# Altium PCB YS_STM32F407_MC_尺寸图.PcbDoc
Units mm, origin at the board's own origin, x right, y up, seen from the top; angles counter-clockwise.
Board outline 197.61 x 111.25 mm, 2 copper layers (Top Layer, Bottom Layer); 31 components, 284 nets, 265 pads, 0 vias.
Unrouted connection lines stored in the file: 72.
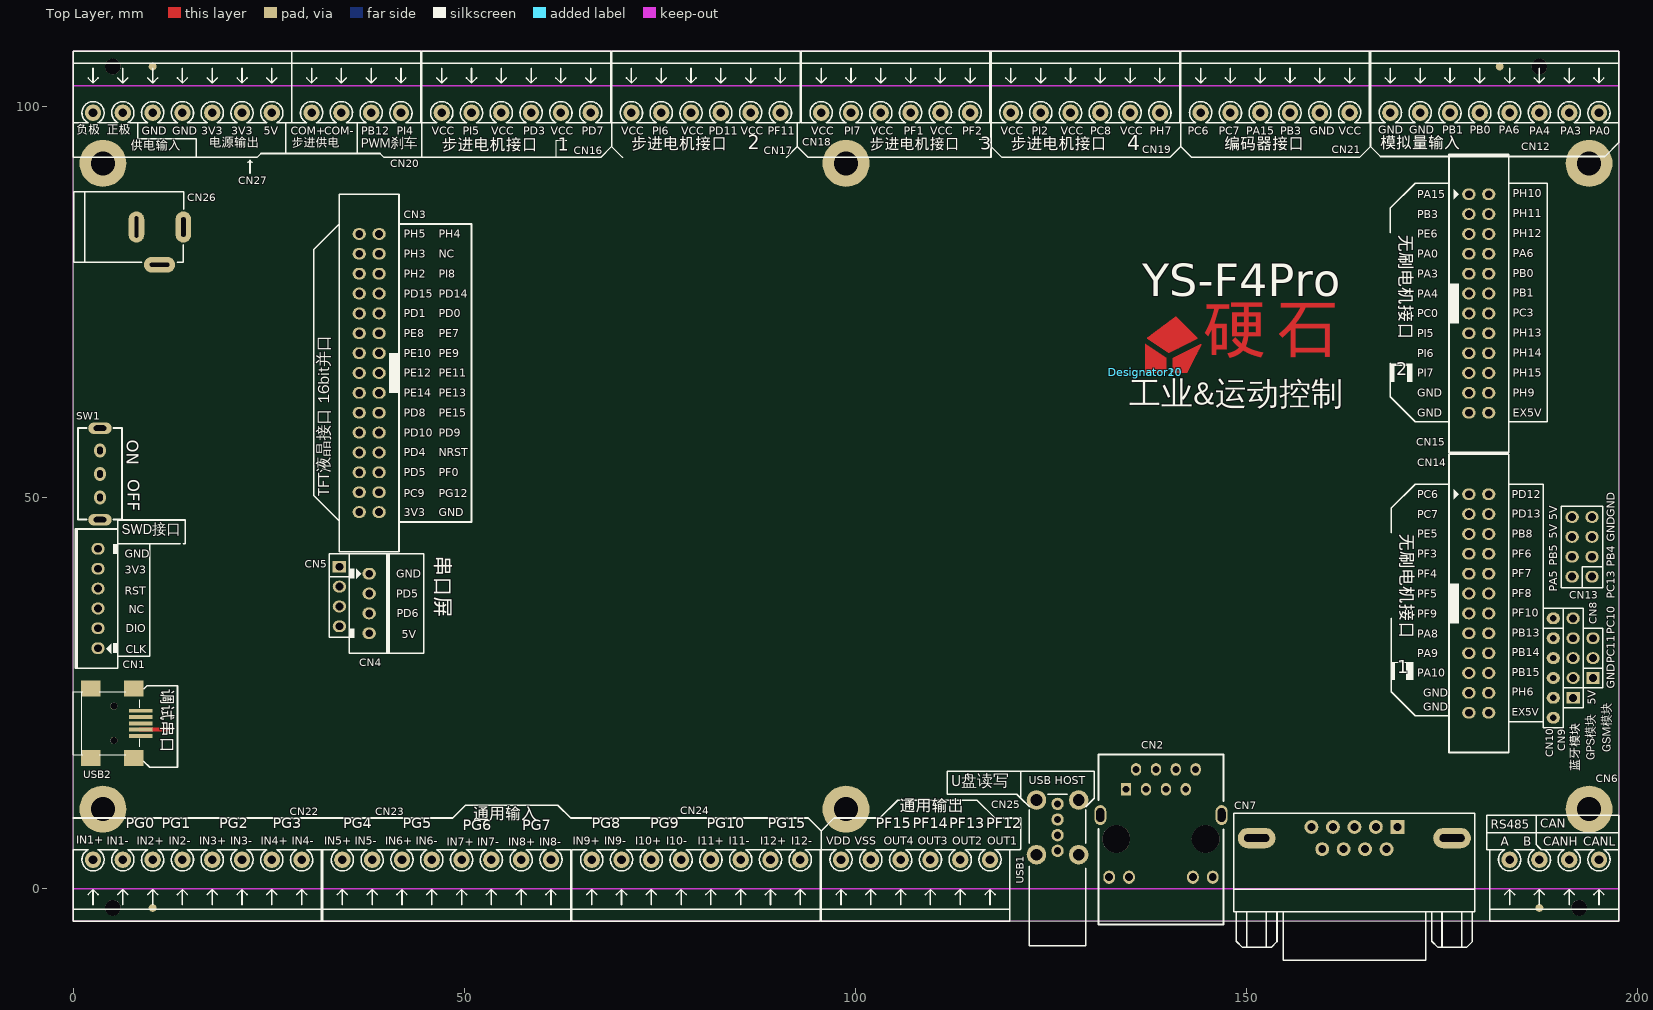
[diagram p0: Top Layer view]
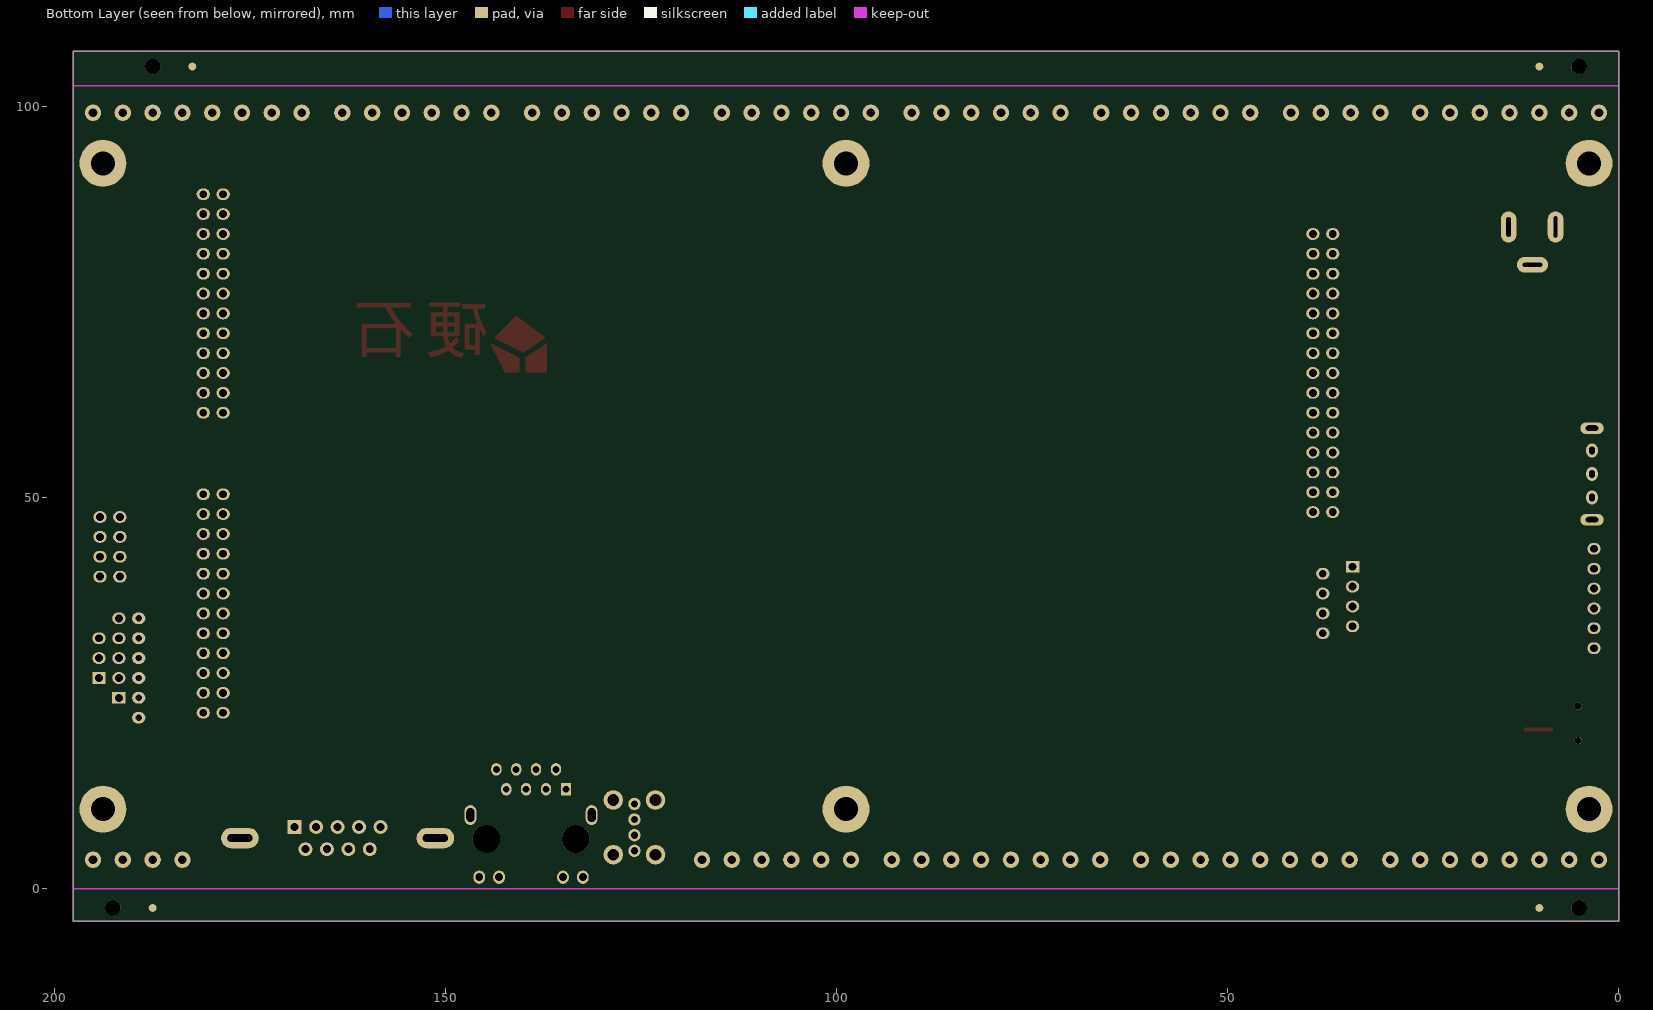
[diagram p1: Bottom Layer view, seen from below]

## Layer stack, top to bottom
Top Solder: solder mask 0.0102, Solder Resist, Dk 3.5
Top Layer: signal copper 0.0356
Dielectric 1: dielectric 0.32, FR-4, Dk 4.8
Bottom Layer: signal copper 0.0356
Bottom Solder: solder mask 0.0102, Solder Resist, Dk 3.5

## Board outline
0,0 0,107.061 197.612,107.061 197.612,102.616 197.612,0 197.612,-4.191 0,-4.191

## Design rules (kind name [scope] priority, off if disabled: settings)
Clearance [All] p1: gap=0.305
PolygonConnect [All] p1: connectstyle=Relief reliefconductorwidth=0.381 reliefentries=4 polygonreliefangle="90 Angle" airgapwidth=0.127
RoutingVias [All] p1: holewidth=0.305 width=0.61 viastyle="Through Hole" minholewidth=0.178 minwidth=0.356 maxholewidth=0.711 maxwidth=1.27
SolderMaskExpansion [All] p1: expansion=0.102
UnpouredPolygon [All] p1: allowunpoured=FALSE
Width [All] p1: maxlimit=5.08 minlimit=0.254 preferedwidth=0.813
29 further rules are at their usual default settings.

## Classes and differential pairs
component class INPUT&OUTPUT: CN22 CN23 CN24 CN25
component class LCD&ETHERNET: CN2 CN3 CN4 CN5
component class MEMORY&COMMUNICTION: CN6 CN7 CN8 CN9 CN10 CN12 CN13 USB1 USB2
component class MOTOR: CN14 CN15 CN16 CN17 CN18 CN19 CN20 CN21
component class POWER: C73 C74 CN26 CN27 SW1
component class STM32MCU: CN1
net class D[0..15]: D0 D1 D2 D3 D4 D5 D6 D7 D8 D9 D10 D11 D12 D13 D14 D15

## Components (designator, comment, footprint, x,y, rotation, side; value= is the part's Value field where it differs from the comment)
CN1 "Header 6" XH2.54-6P_MCUSWD 3.175,30.734 r0 top
CN2 "HR911105A" HR911105A 134.62,12.7 r180 top
CN3 "Header 15X2" LCD_Module_30pin_LINE 39.116,83.693 r270 top
CN4 "Header 4" XH2.54-4P 37.846,40.259 r0 top
CN5 "Header 4" CON1X4(2.54mm) 34.036,41.148 r270 top
CN6 "Header 4" EDG3.81_4P 195.072,3.683 r180 top
CN7 "DB9" CON-JH-9P/SC/R-JL 169.291,7.874 r180 top
CN8 "GSM" CON1X3(2.54mm) 194.31,26.924 r90 top
CN9 "GPS" CON1X5(2.54mm) 191.77,24.384 r90 top
CN10 "BLUETOOTH" "CON1X6(2.54mm) - M" 189.23,34.544 r270 top
CN12 "Header 8" EDG3.81_8P 195.072,99.187 r180 top
CN13 "Header 4X2" CON2X4(2.54MM) 194.183,39.878 r180 top
CN14 "BLDC&PMSM" DC3-24P 178.435,50.419 r0 top
CN15 "BLDC&PMSM" DC3-24P 178.435,88.773 r0 top
CN16 "STEPMOTOR1" EDG3.81_6P 66.167,99.187 r180 top
CN17 "STEPMOTOR2" EDG3.81_6P 90.424,99.187 r180 top
CN18 "STEPMOTOR3" EDG3.81_6P 114.681,99.187 r180 top
CN19 "STEPMOTOR4" EDG3.81_6P 138.938,99.187 r180 top
CN20 "Header 4" EDG3.81_4P 30.48,99.187 r0 top
CN21 "ENCODDER" EDG3.81_6P 163.195,99.187 r180 top
CN22 "IO_INPUT" EDG3.81_8P 2.54,3.683 r0 top
CN23 "IO_INPUT" EDG3.81_8P 34.417,3.683 r0 top
CN24 "IO_INPUT" EDG3.81_8P 66.294,3.683 r0 top
CN25 "IO_OUTPUT" EDG3.81_6P 117.221,3.683 r180 top
CN26 "POWER2.5" CON-DS210/SC/3-JL 14.097,84.582 r180 top
CN27 "Header 7" EDG3.81_7P 2.54,99.187 r0 top
Designator10 "Comment" LOGO#1 137.033,66.004 r0 top
Designator20 "Comment" LOGO#2 137.033,66.004 r0 top
SW1 "SW-Power" SW/SS-12F45 3.429,50.007 r90 top
USB1 "USB_A" USB-A-4P(SIDE) 125.857,4.826 r270 top
USB2 "USB_MINIB_SMT" USB-MINI 8.636,22.733 r180 top

## Footprints (in the part's own frame and the unit in brackets; to place one, negate y for a bottom-side part, rotate by r counter-clockwise, add the part's x,y. Pads: shape width x height; smd on the part's side, far side on the other; paste and mask are expansions set on the pad)
CON1X3(2.54mm) [mm] "Connector; Header; 3 Position"
  rect 1.5x1.7 hole 1: 1(0,0)
  oval 1.5x1.7 hole 1: 2(2.54,0) 3(5.08,0)
  silkscreen extent -1.27,-1.27 6.35,1.27
CON1X4(2.54mm) [mm] "Connector; Header; 4 Position"
  rect 1.5x1.7 hole 1: 1(0,0)
  oval 1.5x1.7 hole 1: 2(2.54,0) 3(5.08,0) 4(7.62,0)
  silkscreen extent 1.27,-1.27 1.27,1.27
CON1X5(2.54mm) [mm] "Connector; Header; 5 Position"
  rect 1.5x1.7 hole 1: 1(0,0)
  oval 1.5x1.7 hole 1: 2(2.54,0) 3(5.08,0) 4(7.62,0) 5(10.16,0)
  silkscreen extent -1.27,-1.27 11.43,1.27
"CON1X6(2.54mm) - M" [mm] "Connector; Header; 6 Position"
  oval 1.5x1.7 hole 0.8: 1(0,0) 2(2.54,0) 3(5.08,0) 4(7.62,0) 5(10.16,0) 6(12.7,0)
  silkscreen extent -1.27,-1.27 13.97,1.27
CON2X4(2.54MM) [mm]
  oval 1.7x1.5 hole 1: 1(0,0) 2(2.54,0) 3(0,-2.54) 4(2.54,-2.54) 5(0,-5.08) 6(2.54,-5.08) 7(0,-7.62) 8(2.54,-7.62)
  silkscreen extent -1.4,-9.02 3.94,1.4
CON-DS210/SC/3-JL [mm]
  oval 2x4 hole 0.6 slot 2.5 at 90 deg: 1(0,0)
  oval 2x4 hole 0.5 slot 2.7 at 90 deg: 2(6,0)
  oval 4x2 hole 0.5 slot 2.5 at 0 deg: 3(3.048,4.826)
  silkscreen extent -0.02,-4.5 14,4.5
CON-JH-9P/SC/R-JL [mil]
  oval 190x102.36 hole 39.37 slot 125.98 at 0 deg: 0(-275.79,55.91) 0(708.07,55.91)
  rect 70x70 hole 40: 1(0,0)
  round 70 hole 40: 2(108.27,0) 3(216.14,0) 4(324.02,0) 5(432.28,0) 6(54.33,111.81) 7(162.2,111.81) 8(270.08,111.81) 9(377.95,111.81)
  silkscreen extent -390,-70 823,670
DC3-24P [mm]
  oval 1.7x1.5 hole 1: 1(0,0) 2(2.54,0) 3(0,-2.54) 4(2.54,-2.54) 5(0,-5.08) 6(2.54,-5.08) 7(0,-7.62) 8(2.54,-7.62) 9(0,-10.16) 10(2.54,-10.16) 11(0,-12.7) 12(2.54,-12.7) 13(0,-15.24) 14(2.54,-15.24) 15(0,-17.78) 16(2.54,-17.78) 17(0,-20.32) 18(2.54,-20.32) 19(0,-22.86) 20(2.54,-22.86) 21(0,-25.4) 22(2.54,-25.4) 23(0,-27.94) 24(2.54,-27.94)
  silkscreen extent -2.54,-33.02 5.08,5.08
EDG3.81_4P [mm]
  round 2.1 hole 1.1: 1(0,0) 2(3.81,0) 3(7.62,0) 4(11.43,0)
  silkscreen extent -2.54,-1.27 13.97,7.87
EDG3.81_6P [mm]
  round 2.1 hole 1.1: 1(0,0) 2(3.81,0) 3(7.62,0) 4(11.43,0) 5(15.24,0) 6(19.05,0)
  silkscreen extent -2.54,-7.87 21.59,1.27
EDG3.81_7P [mm]
  round 2.1 hole 1.1: 1(0,0) 2(3.81,0) 3(7.62,0) 4(11.43,0) 5(15.24,0) 6(19.05,0) 7(22.86,0)
  silkscreen extent -2.54,-1.27 25.4,7.87
EDG3.81_8P [mm]
  round 2.1 hole 1.1: 1(0,0) 2(3.81,0) 3(7.62,0) 4(11.43,0) 5(15.24,0) 6(19.05,0) 7(22.86,0) 8(26.67,0)
  silkscreen extent -2.54,-7.87 29.21,1.27
HR911105A [mm] "HR911105A"
  rect 1.3x1.6 hole 0.89: 1(0,0)
  oval 1.3x1.6 hole 0.89: 2(-1.27,-2.54) 3(-2.54,0) 4(-3.81,-2.54) 5(-5.08,0) 6(-6.35,-2.54) 7(-7.62,0) 8(-8.89,-2.54)
  oval 1.5x1.7 hole 1.02: 9(2.175,11.25) 10(-0.365,11.25) 11(-8.535,11.25) 12(-11.075,11.25)
  oval 1.524x2.54 hole 1.016 slot 1.778 at 90 deg: 13(3.3,3.3) 14(-12.2,3.3)
  round 3.556 hole 3.556: ""(-10.165,6.35) ""(1.265,6.35)
  silkscreen extent -12.45,-4.45 3.55,17.27
LCD_Module_30pin_LINE [mm]
  oval 1.5x1.7 hole 1: 1(0,0) 2(0,-2.54) 3(2.54,0) 4(2.54,-2.54) 5(5.08,0) 6(5.08,-2.54) 7(7.62,0) 8(7.62,-2.54) 9(10.16,0) 10(10.16,-2.54) 11(12.7,0) 12(12.7,-2.54) 13(15.24,0) 14(15.24,-2.54) 15(17.78,0) 16(17.78,-2.54) 17(20.32,0) 18(20.32,-2.54) 19(22.86,0) 20(22.86,-2.54) 21(25.4,0) 22(25.4,-2.54) 23(27.94,0) 24(27.94,-2.54) 25(30.48,0) 26(30.48,-2.54) 27(33.02,0) 28(33.02,-2.54) 29(35.56,0) 30(35.56,-2.54)
  silkscreen extent -5.08,-5.08 40.64,2.54
LOGO#1 [mm]
  Top Layer drawing of 2327 lines, arcs and shapes, not listed
LOGO#2 [mm]
SW/SS-12F45 [mm]
  oval 1.5x3 hole 0.7 slot 1.6 at 90 deg: 0(-2.85,0) 0(8.85,0)
  oval 1.8x1.5 hole 0.7 slot 1 at 0 deg: 1(0,0) 2(3,0) 3(6,0)
  silkscreen extent -2.85,-2.8 8.85,2.8
USB-A-4P(SIDE) [mm]
  round 2.5 hole 1.5: 0(-6.5,2.7) 0(-6.5,-2.7) 0(0.5,2.7) 0(0.5,-2.7)
  round 1.575 hole 0.92: 1(0,0) 2(-2,0) 3(-4,0) 4(-6,0)
  silkscreen extent -7.25,-3.6 12.15,3.6
USB-MINI [mm]
  rect 3.048x0.508 smd: 1(0,0) 2(0,0.8) 3(0,1.6) 4(0,2.4) 5(0,3.2)
  rect 2.5x2.032 smd: 6(0.879,6.05) 7(6.379,6.05) 8(6.379,-2.85) 9(0.879,-2.85)
  round 0.9 hole 0.9 unplated: 10(3.429,-0.6) 11(3.429,3.8)
  silkscreen extent 0.13,-2.4 8.63,5.6
XH2.54-4P [mm]
  oval 1.7x1.5 hole 1: 1(0,0) 2(0,-2.54) 3(0,-5.08) 4(0,-7.62)
  silkscreen extent -2.54,-10.16 2.54,2.54
XH2.54-6P_MCUSWD [mm]
  oval 1.7x1.5 hole 1: 1(0,0) 2(0,2.54) 3(0,5.08) 4(0,7.62) 5(0,10.16) 6(0,12.7)
  silkscreen extent -2.92,-2.54 2.54,15.24

## Part data
CN1: "Header, 6-Pin"
CN3: "Header, 15-Pin, Dual row"
CN4 CN5 CN6 CN20: "Header, 4-Pin"
CN8: library part "Header 3", "Header, 3-Pin"
CN9: library part "Header 5", "Header, 5-Pin"
CN10: library part HC-05, "HC-05_BLUETOOTH"
CN12: "Header, 8-Pin"
CN13: "Header, 4-Pin, Dual row"
CN14 CN15: library part "Header 12X2", "Header, 12-Pin, Dual row"
CN16 CN17 CN18 CN19 CN21 CN25: library part "Header 6", "Header, 6-Pin"
CN22 CN23 CN24: library part "Header 8", "Header, 8-Pin"
CN26: "Low Voltage Power Supply Connector"
CN27: "Header, 7-Pin"
USB1: library part USB_AF, "USB_A side"
USB2: "MiniUSB"

## Free pads (board coordinates)
  round 6 hole 3.1: ""(3.81,10.16) ""(3.81,92.71) ""(98.806,10.16) ""(98.806,92.71) ""(193.802,10.16) ""(193.802,92.71)
  round 2 hole 2: ""(5.08,-2.477) ""(5.08,105.093) ""(187.452,105.093) ""(192.532,-2.477)
  round 1 all layers, no hole: ""(10.16,-2.477) ""(10.16,105.093) ""(182.372,105.093) ""(187.452,-2.477)

## Nets (pads, with @x,y where several pads share a name; then routed paths per layer and width w, separated by ;. In a path a pad name is that pad's centre, name@x,y a point inside that pad or via, vN(x,y) a via of type N, cw(c..) or ccw(c..) an arc to the next point about the centre after c; other vN are vias at no path point)
3V3: CN1.5 CN3.30 CN27.5 CN27.6
5V: CN4.4 CN5.4 CN9.1 CN10.5 CN13.6 CN13.8 CN27.7 SW1.2 USB1.1
A: CN6.4
B: CN6.3
BOOT0: 
BOOT1: CN10.6
CAN_H: CN6.2
CAN_L: CN6.1
CH340_RXD: 
CH340_TXD: 
D0: CN3.7
D1: CN3.8
D2: CN3.9
D3: CN3.10
D4: CN3.11
D5: CN3.12
D6: CN3.13
D7: CN3.14
D8: CN3.15
D9: CN3.16
D10: CN3.17
D11: CN3.18
D12: CN3.19
D13: CN3.20
D14: CN3.21
D15: CN3.22
ETH_LINKLED: 
ETH_RXN: CN2.6
ETH_RXP: CN2.3
ETH_SPEEDLED: 
ETH_TXN: CN2.2
ETH_TXP: CN2.1
EXGND: CN25.5
EXT5V: CN14.24 CN15.24
EXVCC: CN25.6
GND: CN1.6 CN2.8 CN2.10 CN2.11 CN3.29 CN4.1 CN5.1 CN7.0 CN7.5 CN8.1 CN9.2 CN10.4 CN12.7 CN12.8 CN13.5 CN13.7 CN14.21 CN14.23 CN15.21 CN15.23 CN21.2 CN27.3 CN27.4 USB1.0 USB1.4 USB2.5
GND_SM: CN20.2
NetBT1_1: 
NetC6_1: 
NetC7_1: 
NetC26_1: 
NetC29_1: 
NetC30_1: 
NetC38_1: CN2.13 CN2.14
NetC40_2: 
NetC41_2: USB2.6 USB2.7 USB2.8 USB2.9
NetC42_2: 
NetC43_2: 
NetC52_1: 
NetC52_2: 
NetC53_2: 
NetC54_1: 
NetC54_2: 
NetC55_2: 
NetC65_1: 
NetC67_1: CN26.2 CN26.3 CN27.1
NetC67_2: CN26.1 CN27.2
NetC68_2: 
NetCN2_9: CN2.9
NetCN2_12: CN2.12
NetCN7_2: CN7.2
NetCN7_3: CN7.3
NetCN12_1: CN12.1
NetCN12_2: CN12.2
NetCN12_3: CN12.3
NetCN12_4: CN12.4
NetCN12_5: CN12.5
NetCN12_6: CN12.6
NetCN21_1: CN21.1
NetCN22_1: CN22.1
NetCN22_2: CN22.2
NetCN22_3: CN22.3
NetCN22_4: CN22.4
NetCN22_5: CN22.5
NetCN22_6: CN22.6
NetCN22_7: CN22.7
NetCN22_8: CN22.8
NetCN23_1: CN23.1
NetCN23_2: CN23.2
NetCN23_3: CN23.3
NetCN23_4: CN23.4
NetCN23_5: CN23.5
NetCN23_6: CN23.6
NetCN23_7: CN23.7
NetCN23_8: CN23.8
NetCN24_1: CN24.1
NetCN24_2: CN24.2
NetCN24_3: CN24.3
NetCN24_4: CN24.4
NetCN24_5: CN24.5
NetCN24_6: CN24.6
NetCN24_7: CN24.7
NetCN24_8: CN24.8
NetD1_1: 
NetD2_1: 
NetD3_1: 
NetD5_2: 
NetD7_2: 
NetE1_2: 
NetE2_2: 
NetE3_2: 
NetE4_2: 
NetE5_2: 
NetE6_2: 
NetE7_2: 
NetE8_2: 
NetF1_1: SW1.3
NetQ2_1: 
NetQ2_3: 
NetR4_2: 
NetR8_1: 
NetR9_2: 
NetR47_2: 
NetR57_2: 
NetR58_2: 
NetR63_2: 
NetR64_2: 
NetR65_2: 
NetR66_2: 
NetR67_2: 
NetR68_2: 
NetR73_2: 
NetR74_2: 
NetR75_2: 
NetR76_2: 
NetR81_2: 
NetR82_2: 
NetR83_2: 
NetR84_2: 
NetR89_2: 
NetR90_2: 
NetR91_2: 
NetR92_2: 
NetU4_5: USB2.3
NetU4_6: USB2.2
NRST: CN1.4 CN3.23
OUT1: CN25.1
OUT2: CN25.2
OUT3: CN25.3
OUT4: CN25.4
PA0: CN15.7
PA1: 
PA2: 
PA3: CN15.9
PA4: CN15.11
PA5: CN13.2
PA6: CN15.8
PA7: 
PA8: CN14.15
PA9: CN14.17
PA10: CN14.19
PA11: USB1.2
PA12: USB1.3
PA13: CN1.2
PA14: CN1.1
PA15: CN15.1 CN21.4
PB0: CN15.10
PB1: CN15.12
PB3: CN15.3 CN21.3
PB4: CN13.3
PB5: CN13.4
PB6: 
PB7: 
PB8: CN14.6
PB9: 
PB10: 
PB11: 
PB12: CN20.3
PB13: CN14.16
PB14: CN14.18
PB15: CN14.20
PC0: CN15.13
PC1: 
PC2: 
PC3: CN15.14
PC4: 
PC5: 
PC6: CN14.1 CN21.6
PC7: CN14.3 CN21.5
PC8: 
PC9: CN3.28
PC10: CN8.3 CN9.4 CN10.2
PC11: CN8.2 CN9.3 CN10.3
PC12: 
PC13: CN13.1
PC14: 
PC15: 
PD2: 
PD3: 
PD4: CN3.24
PD5: CN3.26 CN4.2 CN5.2
PD6: CN4.3 CN5.3
PD7: 
PD11: 
PD12: CN14.2
PD13: CN14.4
PE0: 
PE1: 
PE2: 
PE3: 
PE4: 
PE5: CN14.5
PE6: CN15.5
PF0: CN3.25
PF1: 
PF2: 
PF3: CN14.7
PF4: CN14.9
PF5: CN14.11
PF6: CN14.8
PF7: CN14.10
PF8: CN14.12
PF9: CN14.13
PF10: CN14.14
PF11: 
PF12: 
PF13: 
PF14: 
PF15: 
PG0: 
PG1: 
PG2: 
PG3: 
PG4: 
PG5: 
PG6: 
PG7: 
PG8: 
PG9: 
PG10: 
PG11: 
PG12: CN3.27
PG13: 
PG14: 
PG15: 
PH0: 
PH1: 
PH2: CN3.6
PH3: CN3.4
PH4: CN3.1
PH5: CN3.2
PH6: CN14.22
PH7: 
PH8: 
PH9: CN15.22
PH10: CN15.2
PH11: CN15.4
PH12: CN15.6
PH13: CN15.16
PH14: CN15.18
PH15: CN15.20
PI0: 
PI1: 
PI2: 
PI3: 
PI4: CN20.4
PI5: CN15.15
PI6: CN15.17
PI7: CN15.19
PI8: CN3.5
PI9: 
PI10: 
PI11: 
POWER: 
STEPM1_DIR+: CN16.2 CN16.4 CN16.6 CN17.2 CN17.4 CN17.6 CN18.2 CN18.4 CN18.6 CN19.2 CN19.4 CN19.6
STEPM1_DIR-: CN16.3
STEPM1_EN-: CN16.1
STEPM1_PUL-: CN16.5
STEPM2_DIR-: CN17.3
STEPM2_EN-: CN17.1
STEPM2_PUL-: CN17.5
STEPM3_DIR-: CN18.3
STEPM3_EN-: CN18.1
STEPM3_PUL-: CN18.5
STEPM4_DIR-: CN19.3
STEPM4_EN-: CN19.1
STEPM4_PUL-: CN19.5
TP_BUSY: CN3.3
USB_5V: USB2.1
VBAT: 
VCC_ETH: CN2.4 CN2.5
VCC_SM: CN20.1
VDDA: 
VREF: 
pads on no net: CN1.3 CN2. CN2.7 CN7.1 CN7.4 CN7.6 CN7.7 CN7.8 CN7.9 CN9.5 CN10.1 SW1.0 SW1.1 USB2.4 USB2.10 USB2.11
copper on no net: | length 3.3
  Top Layer w0.508: 8.636,20.333 11.938,20.333

## Keep-outs
Keep-Out Layer:
  lines w0.203: 0,0 0,-4.191 197.612,-4.191 197.612,0 ; 0,0 0,102.616 ; 0,0 197.612,0 ; 0,102.616 0,107.061 197.612,107.061 197.612,102.616 ; 0,102.616 197.612,102.616 ; 197.612,0 197.612,102.616

## Other copper
Top Layer:
  text "硬" at 144.399,66.639 h10.16
  text "石" at 153.797,66.639 h10.16

## Silkscreen, mask and mechanical layers (free items; w line width, h text height)
Top Overlay:
  rectangle: 170.535,64.736 171.225,66.804
  rectangle: 170.413,26.658 171.331,28.978
  rectangle: 168.434,26.664 169.016,28.948
  rectangle: 169.016,28.829 170.434,28.948
  rectangle: 168.328,66.804 171.225,67.153
  rectangle: 168.328,64.736 168.91,66.804
  rectangle: 61.653,95.579 63.128,95.665
  rectangle: 61.653,93.562 61.77,95.579
  rectangle: 86.037,95.89 87.746,95.919
  rectangle: 115.801,95.741 117.268,95.835
  lines w0.203: 0,9.017 48.514,9.017 50.165,10.668 61.959,10.668 63.61,9.017 93.98,9.017 95.631,7.366 ; 0,97.917 0,93.472 23.495,93.472 24.003,93.98 39.243,93.98 ; 5.715,29.718 9.779,29.718 9.779,44.069 ; 5.715,44.069 13.716,44.069 ; 5.715,45.974 5.715,47.117 14.351,47.117 14.351,44.069 14.097,44.069 ; 8.255,97.917 8.255,95.885 15.748,95.885 15.748,93.472 ; 9.017,16.256 9.779,15.494 13.335,15.494 13.335,25.908 9.398,25.908 9.017,25.527 ; 22.352,92.837 22.606,93.091 ; 22.606,91.44 22.606,93.091 ; 22.86,92.837 22.606,93.091 ; 27.178,93.98 27.178,97.917 ; 34.036,46.99 30.734,50.292 30.734,81.661 34.036,84.963 ; 35.306,32.131 32.766,32.131 32.766,42.418 32.766,42.799 35.306,42.799 ; 36.322,93.98 36.322,97.917 ; 40.132,42.799 44.831,42.799 44.831,30.099 40.386,30.099 ; 41.656,46.863 50.927,46.863 50.927,84.963 41.656,84.963 ; 44.577,93.472 44.577,97.917 ; 68.834,97.917 68.834,94.869 ; 70.231,93.472 68.834,94.869 ; 91.186,93.472 92.583,94.869 ; 92.583,97.917 92.583,94.869 ; 95.631,4.953 95.631,7.366 ; 117.348,97.917 117.348,94.869 ; 119.761,4.953 121.031,4.953 121.158,5.08 121.158,9.017 117.843,9.017 115.557,11.303 105.41,11.303 103.124,9.017 97.282,9.017 95.631,7.366 ; 121.158,14.986 121.158,14.732 121.158,11.556 122.257,10.457 ; 121.285,11.429 120.649,12.065 111.76,12.065 111.76,14.986 130.556,14.986 130.556,14.732 130.556,11.556 129.457,10.457 ; 141.605,98.044 141.605,94.869 ; 165.862,97.917 165.862,94.869 ; 168.402,67.153 168.402,62.865 171.577,59.69 175.895,59.69 ; 168.402,83.82 168.402,86.995 171.577,90.17 175.895,90.17 ; 168.529,34.544 168.529,27.178 168.529,25.146 171.577,22.098 175.895,22.098 ; 168.529,45.466 168.529,48.641 171.577,51.689 ; 180.721,7.239 180.721,4.953 181.102,4.953 ; 183.515,21.336 187.96,21.336 ; 183.515,51.689 187.96,51.689 187.96,35.814 ; 183.515,59.69 188.468,59.69 188.468,90.17 183.515,90.17 ; 187.071,9.398 187.071,5.588 187.325,5.334 187.706,4.953 188.087,4.953 ; 197.231,4.953 197.612,4.953 197.612,7.239 ; 197.612,97.917 197.612,95.377 195.834,93.599 167.132,93.599 165.862,94.869 ; 39.243,93.98 39.751,93.472 ; 39.243,93.98 39.751,93.472 ; 39.751,93.472 45.339,93.472 67.437,93.472 68.834,94.869 ; 92.583,94.869 93.98,93.472 ; 92.583,94.869 93.98,93.472 ; 93.98,93.472 117.348,93.472 117.348,94.869 ; 117.348,94.869 118.745,93.472 ; 117.348,94.869 118.745,93.472 ; 118.745,93.472 140.208,93.472 141.605,94.869 ; 141.605,94.869 143.002,93.472 164.465,93.472 165.862,94.869 ; 171.577,51.689 175.895,51.689 171.577,51.689 ; 180.721,7.112 180.721,9.398 197.612,9.398 197.612,7.112 180.721,7.112
  text "GND" at 166.878,96.52 h1.02
  text "GND" at 170.815,96.52 h1.02
  text "PB1" at 175.006,96.52 h1.02
  text "PB0" at 178.562,96.52 h1.02
  text "PA6" at 182.245,96.52 h1.02
  text "GND" at 8.763,96.393 h1.02
  text "GND" at 12.7,96.393 h1.02
  text "3V3" at 16.383,96.393 h1.02
  text "3V3" at 20.193,96.393 h1.02
  text "5V" at 24.384,96.393 h1.02
  text "COM+" at 27.813,96.393 h1.02
  text "COM-" at 32.131,96.393 h1.02
  text "PB12" at 36.83,96.393 h1.02
  text "PI4" at 41.402,96.393 h1.02
  text "VCC" at 45.847,96.393 h1.02
  text "PI5" at 49.784,96.393 h1.02
  text "VCC" at 53.467,96.393 h1.02
  text "PD3" at 57.531,96.393 h1.02
  text "VCC" at 61.087,96.393 h1.02
  text "PD7" at 65.024,96.393 h1.02
  text "VCC" at 70.104,96.393 h1.02
  text "PI6" at 74.041,96.393 h1.02
  text "VCC" at 77.724,96.393 h1.02
  text "PD11" at 81.28,96.393 h1.02
  text "VCC" at 85.344,96.393 h1.02
  text "PF11" at 88.773,96.393 h1.02
  text "VCC" at 94.361,96.393 h1.02
  text "PI7" at 98.552,96.393 h1.02
  text "VCC" at 101.981,96.393 h1.02
  text "PF1" at 106.172,96.393 h1.02
  text "VCC" at 109.601,96.393 h1.02
  text "PF2" at 113.665,96.393 h1.02
  text "VCC" at 118.618,96.393 h1.02
  text "PI2" at 122.555,96.393 h1.02
  text "VCC" at 126.238,96.393 h1.02
  text "PC8" at 130.048,96.393 h1.02
  text "VCC" at 133.858,96.393 h1.02
  text "PH7" at 137.668,96.393 h1.02
  text "PC6" at 142.494,96.393 h1.02
  text "PC7" at 146.431,96.393 h1.02
  text "PA15" at 149.987,96.393 h1.02
  text "PB3" at 154.305,96.393 h1.02
  text "GND" at 158.115,96.393 h1.02
  text "VCC" at 161.798,96.393 h1.02
  text "PA4" at 186.182,96.393 h1.02
  text "PA3" at 190.119,96.393 h1.02
  text "PA0" at 193.802,96.393 h1.02
  text "负极" at 0.381,96.139 h1.91
  text "正极" at 4.318,96.139 h1.91
  text "步进供电" at 27.94,94.488 h1.91
  text "电源输出" at 17.399,94.361 h2.03
  text "PWM刹车" at 36.83,94.234 h2.16
  text "模拟量输入" at 167.132,94.107 h2.54
  text "供电输入" at 7.366,93.98 h2.03
  text "步进电机接口" at 71.374,93.98 h2.54
  text "步进电机接口" at 101.854,93.98 h2.41
  text "步进电机接口" at 119.888,93.98 h2.54
  text "编码器接口" at 147.193,93.98 h2.54
  text "步进电机接口" at 47.117,93.853 h2.54
  text "2" at 86.233,93.853 h3.05
  text "3" at 115.951,93.853 h2.79
  text "1" at 61.976,93.726 h2.79
  text "4" at 134.747,93.726 h3.3
  text "PH10" at 184.023,88.392 h1.02
  text "PA15" at 171.831,88.265 h1.02
  text "PH11" at 184.023,85.84 h1.02
  text "PB3" at 171.831,85.725 h1.02
  text "无刷电机接口" at 169.037,83.566 h2.79 r270
  text "PH12" at 184.023,83.289 h1.02
  text "PH5" at 42.291,83.185 h1.02
  text "PH4" at 46.736,83.185 h1.02
  text "PE6" at 171.831,83.185 h1.02
  text "PA6" at 184.023,80.737 h1.02
  text "PH3" at 42.291,80.645 h1.02
  text "NC" at 46.736,80.645 h1.02
  text "PA0" at 171.831,80.645 h1.02
  text "PB0" at 184.023,78.186 h1.02
  text "PH2" at 42.291,78.105 h1.02
  text "PI8" at 46.736,78.105 h1.02
  text "PA3" at 171.831,78.105 h1.02
  text "PB1" at 184.023,75.634 h1.02
  text "PD15" at 42.291,75.565 h1.02
  text "PD14" at 46.736,75.565 h1.02
  text "PA4" at 171.831,75.565 h1.02
  text "YS-F4Pro" at 136.652,74.295 h7.11
  text "PC3" at 184.023,73.083 h1.02
  text "PD1" at 42.291,73.025 h1.02
  text "PD0" at 46.736,73.025 h1.02
  text "PC0" at 171.831,73.025 h1.02
  text "PH13" at 184.023,70.531 h1.02
  text "PE8" at 42.291,70.485 h1.02
  text "PE7" at 46.736,70.485 h1.02
  text "PI5" at 171.831,70.485 h1.02
  text "PH14" at 184.023,67.98 h1.02
  text "PE10" at 42.291,67.945 h1.02
  text "PE9" at 46.736,67.945 h1.02
  text "PI6" at 171.831,67.945 h1.02
  text "PH15" at 184.023,65.428 h1.02
  text "PE12" at 42.291,65.405 h1.02
  text "PE11" at 46.736,65.405 h1.02
  text "PI7" at 171.831,65.405 h1.02
  text "2" at 169.164,65.024 h2.79
  text "PE14" at 42.291,62.865 h1.02
  text "PE13" at 46.736,62.865 h1.02
  text "GND" at 171.831,62.865 h1.02
  text "PH9" at 184.023,62.877 h1.02
  text "工业&运动控制" at 135.04,60.833 h5.08
  text "PD8" at 42.291,60.325 h1.02
  text "PE15" at 46.736,60.325 h1.02
  text "GND" at 171.831,60.325 h1.02
  text "EX5V" at 184.023,60.325 h1.02
  text "PD10" at 42.291,57.785 h1.02
  text "PD9" at 46.736,57.785 h1.02
  text "ON" at 6.858,57.404 h1.52 r270
  text "PD4" at 42.291,55.245 h1.02
  text "NRST" at 46.736,55.245 h1.02
  text "PD5" at 42.291,52.705 h1.02
  text "PF0" at 46.736,52.705 h1.02
  text "OFF" at 6.985,52.324 h1.52 r270
  text "TFT液晶接口 16bit并口" at 33.274,50.165 h2.54 r90
  text "PC9" at 42.291,50.038 h1.02
  text "PG12" at 46.736,50.038 h1.02
  text "PC6" at 171.831,49.911 h1.02
  text "PD12" at 183.896,49.911 h1.02
  text "3V3" at 42.291,47.625 h1.02
  text "GND" at 46.736,47.625 h1.02
  text "GND" at 197.104,47.498 h1.02 r90
  text "PC7" at 171.831,47.366 h1.02
  text "PD13" at 183.896,47.383 h1.02
  text "5V" at 189.738,47.117 h1.02 r90
  text "无刷电机接口" at 169.164,45.339 h2.79 r270
  text "PB8" at 183.896,44.854 h1.02
  text "SWD接口" at 6.223,44.831 h2.29
  text "PE5" at 171.831,44.82 h1.02
  text "5V" at 189.738,44.704 h1.02 r90
  text "GND" at 197.104,44.323 h1.02 r90
  text "串口屏" at 45.72,42.545 h3.3 r270
  text "PF6" at 183.896,42.326 h1.02
  text "GND" at 6.604,42.291 h1.02
  text "PF3" at 171.831,42.275 h1.02
  text "PB5" at 189.738,41.275 h1.02 r90
  text "PB4" at 197.104,41.148 h1.02 r90
  text "3V3" at 6.604,40.259 h1.02
  text "PF7" at 183.896,39.797 h1.02
  text "GND" at 41.275,39.751 h1.02
  text "PF4" at 171.831,39.73 h1.02
  text "PA5" at 189.738,37.973 h1.02 r90
  text "RST" at 6.604,37.592 h1.02
  text "PF8" at 183.896,37.269 h1.02
  text "PD5" at 41.275,37.211 h1.02
  text "PF5" at 171.831,37.185 h1.02
  text "PC13" at 197.104,37.084 h1.02 r90
  text "NC" at 7.112,35.179 h1.02
  text "PF10" at 183.896,34.74 h1.02
  text "PD6" at 41.402,34.671 h1.02
  text "PF9" at 171.831,34.639 h1.02
  text "DIO" at 6.731,32.766 h1.02
  text "PC10" at 197.104,32.512 h1.02 r90
  text "PB13" at 183.896,32.212 h1.02
  text "PA8" at 171.831,32.094 h1.02
  text "5V" at 42.037,32.004 h1.02
  text "CLK" at 6.731,30.099 h1.02
  text "PB14" at 183.896,29.683 h1.02
  text "PA9" at 171.831,29.549 h1.02
  text "PC11" at 197.104,28.829 h1.02 r90
  text "PB15" at 183.896,27.155 h1.02
  text "PA10" at 171.831,27.051 h1.02
  text "1" at 169.27,26.946 h2.79
  text "调试串口" at 10.795,25.527 h2.54 r270
  text "GND" at 197.104,25.527 h1.02 r90
  text "PH6" at 183.896,24.626 h1.02
  text "GND" at 172.593,24.511 h1.02
  text "5V" at 194.691,23.495 h1.02 r90
  text "GND" at 172.593,22.733 h1.02
  text "EX5V" at 183.896,22.098 h0.97
  text "GSM模块" at 196.977,17.399 h1.91 r90
  text "GPS模块" at 194.945,16.383 h1.91 r90
  text "蓝牙模块" at 192.913,14.986 h1.91 r90
  text "USB HOST" at 122.174,13.335 h1.02
  text "U盘读写" at 112.268,12.573 h2.54
  text "通用输出" at 105.664,9.398 h2.54
  text "通用输入" at 51.181,8.382 h2.54
  text "CAN" at 187.579,7.747 h1.14
  text "RS485" at 181.229,7.62 h1.14
  text "PG0" at 6.731,7.239 h2.29
  text "PG1" at 11.303,7.239 h2.29
  text "PG2" at 18.669,7.239 h2.29
  text "PG3" at 25.527,7.239 h2.29
  text "PG4" at 34.544,7.239 h2.29
  text "PG5" at 42.164,7.239 h2.29
  text "PG8" at 66.294,7.239 h2.29
  text "PG9" at 73.787,7.239 h2.29
  text "PG10" at 81.026,7.239 h2.29
  text "PG15" at 88.773,7.239 h2.29
  text "PF15" at 102.616,7.239 h2.29
  text "PF14" at 107.315,7.239 h2.29
  text "PF13" at 112.014,7.239 h2.29
  text "PF12" at 116.713,7.239 h2.29
  text "PG6" at 49.784,6.985 h2.29
  text "PG7" at 57.404,6.985 h2.29
  text "IN1+" at 0.381,5.715 h1.02
  text "IN1-" at 4.318,5.588 h1.02
  text "IN2+" at 8.128,5.588 h1.02
  text "IN2-" at 12.192,5.588 h1.02
  text "IN3+" at 16.129,5.588 h1.02
  text "IN3-" at 20.066,5.588 h1.02
  text "IN4+" at 24.003,5.588 h1.02
  text "IN4-" at 27.94,5.588 h1.02
  text "IN5+" at 32.083,5.588 h1.02
  text "IN5-" at 35.998,5.588 h1.02
  text "IN6+" at 39.913,5.588 h1.02
  text "IN6-" at 43.828,5.588 h1.02
  text "IN9+" at 63.881,5.588 h1.02
  text "IN9-" at 67.873,5.588 h1.02
  text "I10+" at 71.865,5.588 h1.02
  text "I10-" at 75.857,5.588 h1.02
  text "I11+" at 79.849,5.588 h1.02
  text "I11-" at 83.841,5.588 h1.02
  text "I12+" at 87.833,5.588 h1.02
  text "I12-" at 91.825,5.588 h1.02
  text "VDD" at 96.266,5.588 h1.02
  text "VSS" at 99.949,5.588 h1.02
  text "OUT4" at 103.632,5.588 h1.02
  text "OUT3" at 107.95,5.588 h1.02
  text "OUT2" at 112.395,5.588 h1.02
  text "OUT1" at 116.84,5.588 h1.02
  text "IN7+" at 47.752,5.461 h1.02
  text "IN7-" at 51.689,5.461 h1.02
  text "IN8+" at 55.626,5.461 h1.02
  text "IN8-" at 59.563,5.461 h1.02
  text "A" at 182.499,5.461 h1.14
  text "B" at 185.42,5.461 h1.14
  text "CANH" at 187.96,5.461 h1.14
  text "CANL" at 193.04,5.461 h1.14
Top Solder:
  text "硬" at 144.399,66.639 h10.16
  text "石" at 153.797,66.639 h10.16
Mechanical 1:
  text "特别注意：接上端子后，板子总宽度为130mm。" at 68.199,45.339 h3.81
  text "总尺寸：200mm*130mm*30mm。" at 88.011,40.132 h3.81

## Dimensions
197.612,-4.191 to 180.975,60.833 on Keep-Out Layer
178.435,22.479 to 178.435,25.019 on Keep-Out Layer
178.435,22.479 to 180.975,22.479 on Keep-Out Layer
197.612,-4.191 to 180.975,22.479 on Keep-Out Layer
197.612,102.616 to 180.975,50.419 on Keep-Out Layer
0,-4.191 to 3.81,10.16 on Keep-Out Layer
0,-4.191 to 3.81,92.71 on Keep-Out Layer
0,-4.191 to 0,107.061 on Keep-Out Layer
0,-4.191 to 0,102.616 on Keep-Out Layer
0.097,89.082 to 0.097,80.082 on Keep-Out Layer
0.097,89.082 to -3.048,107.061 on Keep-Out Layer
0,-4.191 to 3.81,10.16 on Keep-Out Layer
21.59,3.683 to 25.4,3.683 on Keep-Out Layer
0,-4.191 to 98.806,10.16 on Keep-Out Layer
0,-4.191 to 193.802,10.16 on Keep-Out Layer
0,-4.191 to 197.612,0 on Keep-Out Layer
197.612,0 to 179.206,-2.966 on Keep-Out Layer
179.206,-2.966 to 148.396,-2.966 on Keep-Out Layer
197.612,-13.081 to 147.07,-4.57 on Keep-Out Layer
147.07,-4.57 to 131.07,-4.57 on Keep-Out Layer
197.612,-4.191 to 129.457,-7.324 on Keep-Out Layer
129.457,-7.324 to 122.257,-7.324 on Keep-Out Layer